# KiCad board SparkFun_GNSS_ZED-X20P_panelized.kicad_pcb (continued)
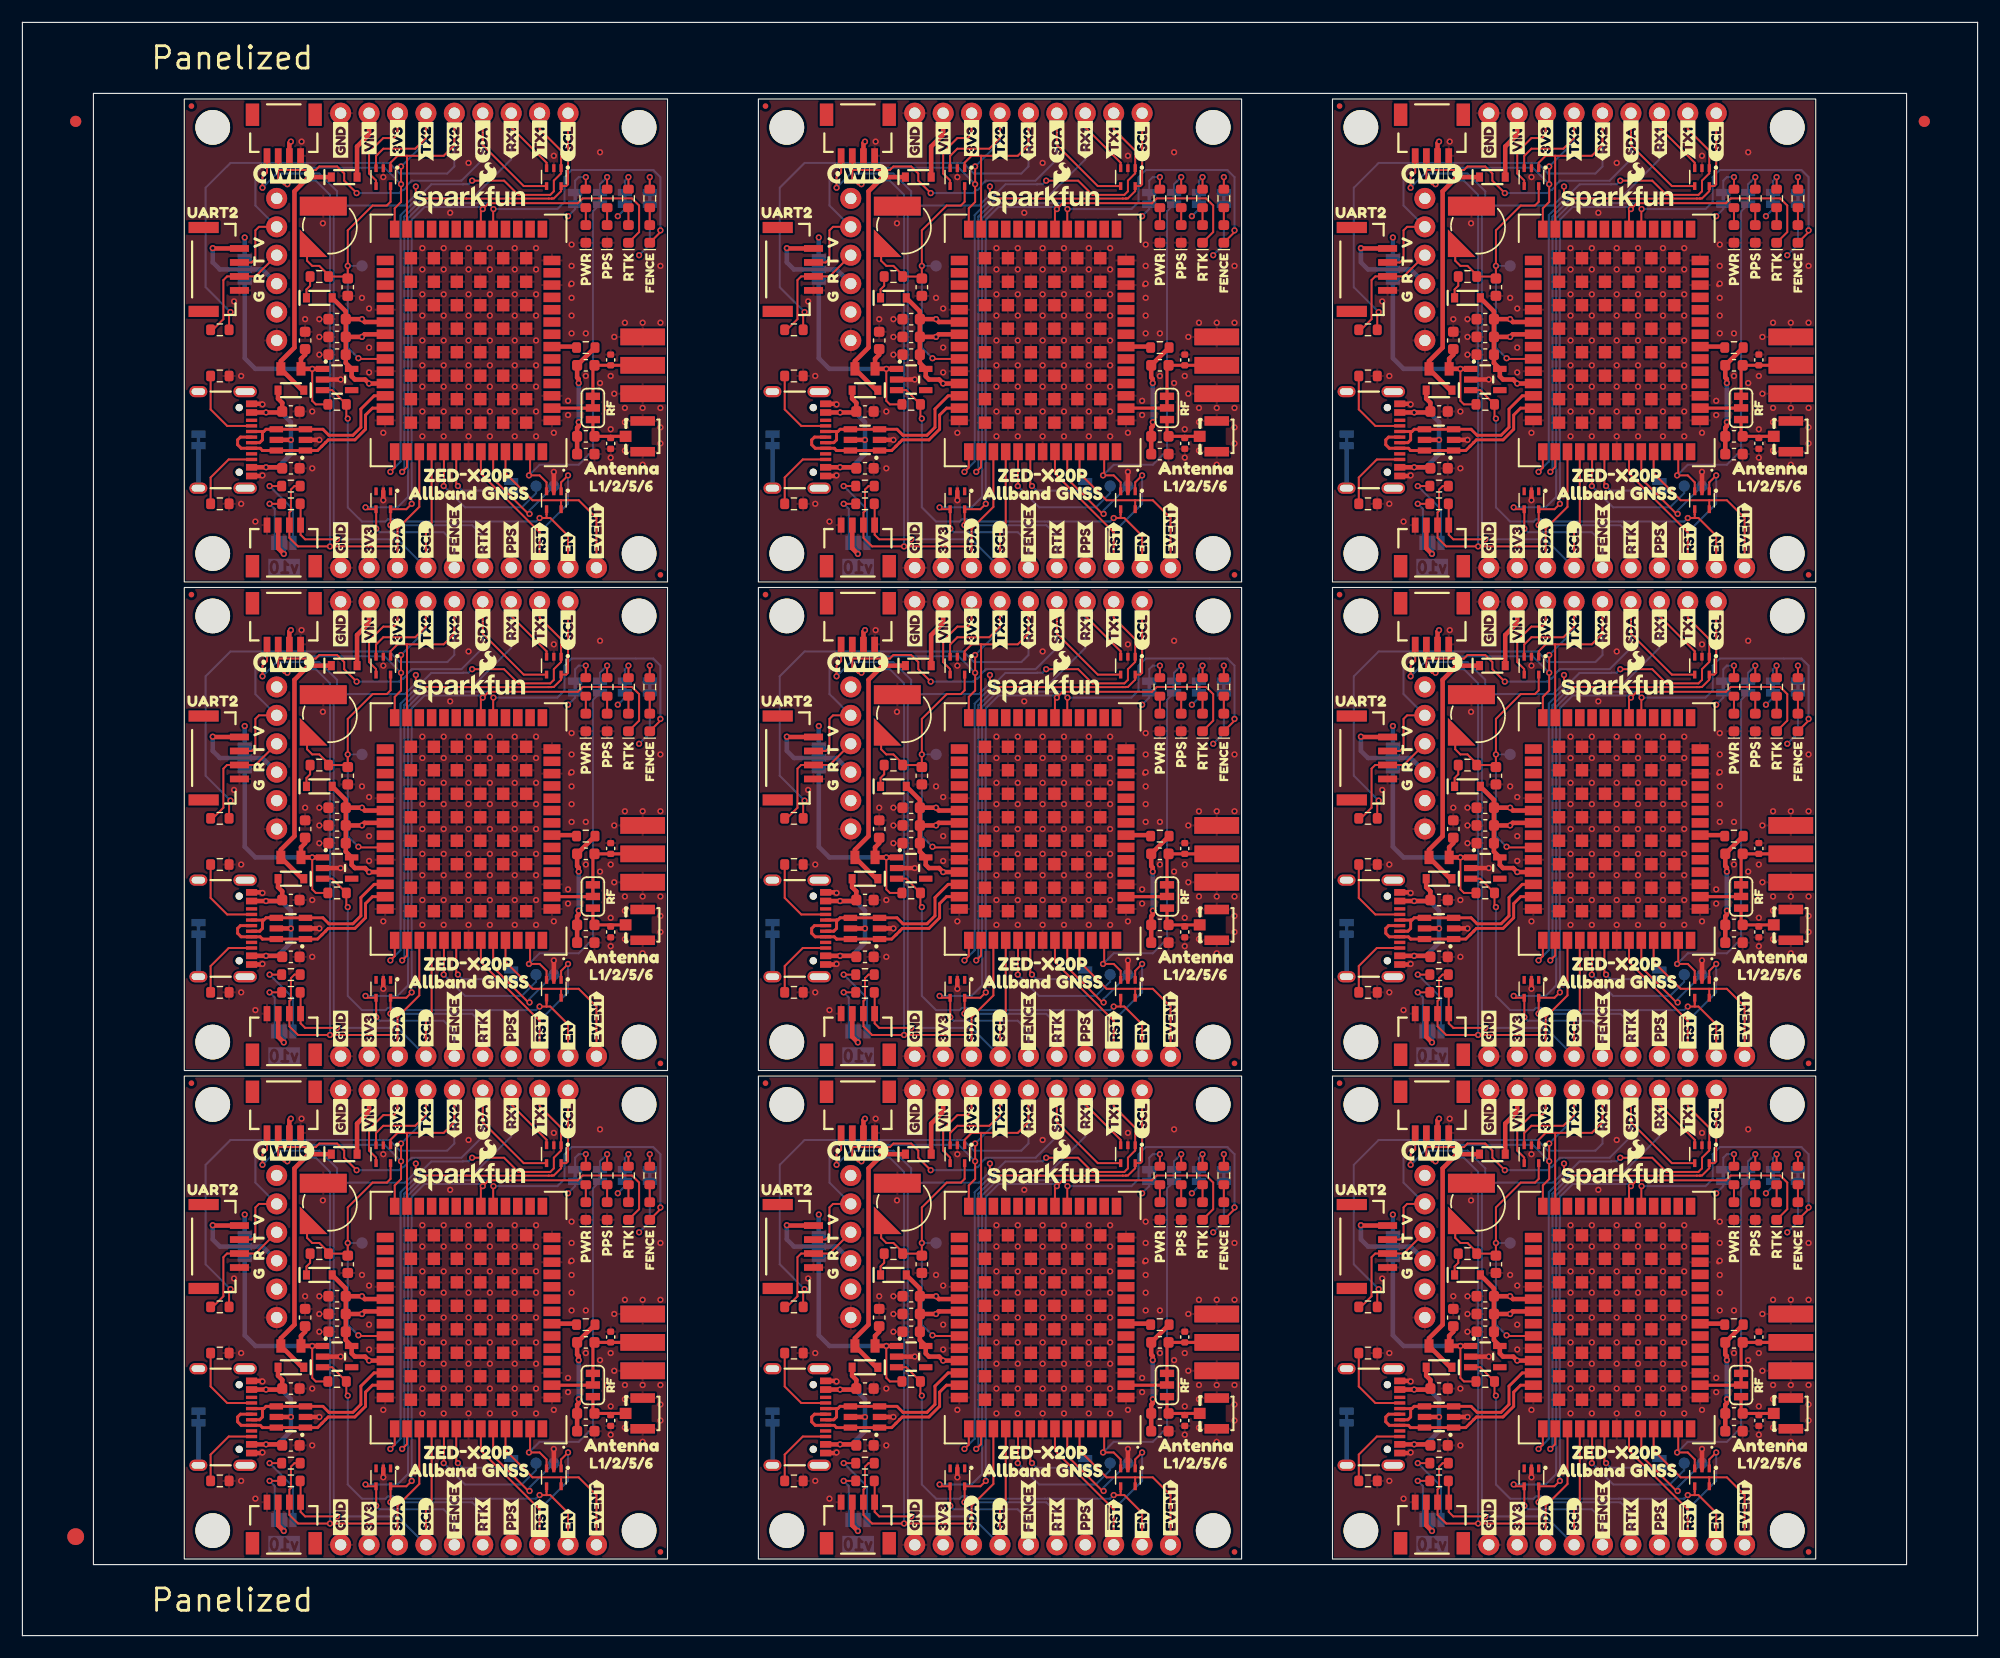
[diagram p0: board, top side]
## Routing (per net, layer and track width the routed paths; a pad name or vN(x,y) marks a point on that pad's centre or on a via; arc(x,y) is an arc through that point) (continued)
TX_READY: length 119.5
  Top w0.178: U5#9.46 140.27,15.45 v1(140.25,15.42) ; U5#2.46 37.67,102.81 v1(37.65,102.78) ; U5#5.46 88.97,15.45 v1(88.95,15.42) ; U5.46 37.67,15.45 v1(37.65,15.42) ; v1(88.95,102.78) 88.97,102.81 U5#8.46 ; U5#4.46 37.67,59.12 v1(37.65,59.1) ; U5#3.46 88.97,59.12 v1(88.95,59.1) ; U5#7.46 140.27,59.12 v1(140.25,59.1) ; v1(140.25,102.78) 140.27,102.81 U5#6.46
  Bottom w0.178: v1(88.95,102.78) 90.85,100.88 95.93,100.88 97.2,102.15 TP1#4.1 ; TP1#2.1 45.9,58.47 44.63,57.2 39.55,57.2 v1(37.65,59.1) ; v1(140.25,102.78) 142.15,100.88 147.23,100.88 148.5,102.15 TP1#8.1 ; TP1#3.1 97.2,58.47 95.93,57.2 90.85,57.2 v1(88.95,59.1) ; TP1#9.1 45.9,14.79 44.63,13.52 39.55,13.52 v1(37.65,15.42) ; TP1#5.1 97.2,14.79 95.93,13.52 90.85,13.52 v1(88.95,15.42) ; v1(140.25,59.1) 142.15,57.2 147.23,57.2 148.5,58.47 TP1#7.1 ; v1(37.65,102.78) 39.55,100.88 44.63,100.88 45.9,102.15 TP1#6.1 ; TP1.1 148.5,14.79 147.23,13.52 142.15,13.52 v1(140.25,15.42)
USB_D+: length 157.5
  Top w0.262: J1#3.A6 70.78,19.8 70.53,19.55 70.53,19.12 70.85,18.8 J1#3.B6 72.55,18.8 72.75,18.6 72.76,18.6 77.68,18.6 78.06,18.99 78.07,18.99 78.4,19.32 78.4,19.32 78.63,19.55 81.01,19.55 81.96,20.5 81.96,21.77 82.58,22.39 83.72,22.39 ; U5#9.40 133.88,22.39 133.26,21.77 133.26,20.5 132.31,19.55 129.93,19.55 129.7,19.32 129.7,19.32 129.37,18.99 129.36,18.99 128.98,18.6 124.06,18.6 124.06,18.6 123.85,18.8 J1#6.B6 122.15,18.8 121.83,19.12 121.83,19.55 122.08,19.8 J1#6.A6 ; U5#6.40 133.88,109.75 133.26,109.13 133.26,107.86 132.31,106.91 129.93,106.91 129.7,106.68 129.7,106.68 129.37,106.35 129.36,106.35 128.98,105.96 U1#4.1 U1#4.6 124.06,105.96 124.06,105.96 123.85,106.16 J1#4.B6 122.15,106.16 121.83,106.48 121.83,106.91 122.08,107.16 J1#4.A6 ; 83.72,66.07 82.58,66.07 81.96,65.45 81.96,64.18 81.01,63.23 78.63,63.23 78.4,63 78.4,63 78.07,62.67 78.06,62.67 77.68,62.28 U1#7.1 U1#7.6 72.76,62.28 72.75,62.28 72.55,62.48 J1#7.B6 70.85,62.48 70.53,62.8 70.53,63.23 70.78,63.48 J1#7.A6 ; 32.42,66.07 31.28,66.07 30.66,65.45 30.66,64.18 29.71,63.23 27.33,63.23 27.1,63 27.1,63 26.77,62.67 26.76,62.67 26.38,62.28 U1#3.1 U1#3.6 21.46,62.28 21.46,62.28 21.25,62.48 J1#2.B6 19.55,62.48 19.23,62.8 19.23,63.23 19.48,63.48 J1#2.A6 ; J1#9.A6 19.48,19.8 19.23,19.55 19.23,19.12 19.55,18.8 J1#9.B6 21.25,18.8 21.46,18.6 21.46,18.6 26.38,18.6 26.76,18.99 26.77,18.99 27.1,19.32 27.1,19.32 27.33,19.55 29.71,19.55 30.66,20.5 30.66,21.77 31.28,22.39 U5.40 ; 135.02,66.07 133.88,66.07 133.26,65.45 133.26,64.18 132.31,63.23 129.93,63.23 129.7,63 129.7,63 129.37,62.67 129.36,62.67 128.98,62.28 U1#9.1 U1#9.6 124.06,62.28 124.06,62.28 123.85,62.48 J1#5.B6 122.15,62.48 121.83,62.8 121.83,63.23 122.08,63.48 J1#5.A6 ; J1#8.A6 70.78,107.16 70.53,106.91 70.53,106.48 70.85,106.16 J1#8.B6 72.55,106.16 72.75,105.96 72.76,105.96 U1#5.6 U1#5.1 77.68,105.96 78.06,106.35 78.07,106.35 78.4,106.68 78.4,106.68 78.63,106.91 81.01,106.91 81.96,107.86 81.96,109.13 82.58,109.75 83.72,109.75 ; U5#2.40 31.28,109.75 30.66,109.13 30.66,107.86 29.71,106.91 27.33,106.91 27.1,106.68 27.1,106.68 26.77,106.35 26.76,106.35 26.38,105.96 U1#2.1 U1#2.6 21.46,105.96 21.46,105.96 21.25,106.16 J1.B6 19.55,106.16 19.23,106.48 19.23,106.91 19.48,107.16 J1.A6
USB_D-: length 148.4
  Top w0.262: J1.A7 21.21,106.66 21.46,106.91 21.46,107.66 ; 21.46,20.3 21.46,19.55 21.21,19.3 J1#9.A7 ; 21.46,20.3 J1#9.B7 ; 21.46,20.3 21.57,20.3 21.77,20.5 22.09,20.5 22.09,20.5 U1.4 U1.3 26.85,20.5 27.39,19.97 29.54,19.97 30.25,20.67 30.25,22.31 31.43,23.49 U5.39 ; J1#6.A7 123.81,19.3 124.06,19.55 124.06,20.3 ; 124.06,63.98 124.17,63.98 124.37,64.18 124.69,64.18 124.69,64.18 U1#9.4 U1#9.3 129.46,64.18 129.99,63.65 132.14,63.65 132.85,64.35 132.85,65.99 134.03,67.17 U5#7.39 ; 124.06,63.98 J1#5.B7 ; 124.06,63.98 124.06,63.23 123.81,62.98 J1#5.A7 ; U5#6.39 134.03,110.85 132.85,109.67 132.85,108.03 132.14,107.33 129.99,107.33 129.46,107.86 U1#4.3 U1#4.4 124.69,107.86 124.69,107.86 124.37,107.86 124.17,107.66 124.06,107.66 ; 124.06,107.66 J1#4.B7 ; 124.06,107.66 124.06,106.91 123.81,106.66 J1#4.A7 ; 72.75,63.98 72.87,63.98 73.07,64.18 73.39,64.18 73.39,64.18 U1#7.4 U1#7.3 78.16,64.18 78.69,63.65 80.84,63.65 81.55,64.35 81.55,65.99 82.73,67.17 83.72,67.17 ; 72.75,63.98 72.75,63.23 72.5,62.98 J1#7.A7 ; 72.75,63.98 J1#7.B7 ; 72.75,107.66 72.75,106.91 72.5,106.66 J1#8.A7 ; 72.75,107.66 J1#8.B7 ; 72.75,107.66 72.87,107.66 73.07,107.86 73.39,107.86 73.39,107.86 U1#5.4 U1#5.3 78.16,107.86 78.69,107.33 80.84,107.33 81.55,108.03 81.55,109.67 82.73,110.85 83.72,110.85 ; 21.46,107.66 J1.B7 ; 21.46,107.66 21.57,107.66 21.77,107.86 22.09,107.86 22.09,107.86 U1#2.4 U1#2.3 26.85,107.86 27.39,107.33 29.54,107.33 30.25,108.03 30.25,109.67 31.43,110.85 U5#2.39 ; 72.75,20.3 J1#3.B7 ; 72.75,20.3 72.87,20.3 73.07,20.5 73.39,20.5 73.39,20.5 U1#6.4 U1#6.3 78.16,20.5 78.69,19.97 80.84,19.97 81.55,20.67 81.55,22.31 82.73,23.49 83.72,23.49 ; 72.75,20.3 72.75,19.55 72.5,19.3 J1#3.A7 ; 21.46,63.98 J1#2.B7 ; 21.46,63.98 21.57,63.98 21.77,64.18 22.09,64.18 22.09,64.18 U1#3.4 U1#3.3 26.85,64.18 27.39,63.65 29.54,63.65 30.25,64.35 30.25,65.99 31.43,67.17 U5#4.39 ; 21.46,63.98 21.46,63.23 21.21,62.98 J1#2.A7 ; 124.06,20.3 124.17,20.3 124.37,20.5 124.69,20.5 124.69,20.5 U1#8.4 U1#8.3 129.46,20.5 129.99,19.97 132.14,19.97 132.85,20.67 132.85,22.31 134.03,23.49 U5#9.39 ; 124.06,20.3 J1#6.B7
V_BCKP: length 254.6
  Top w0.178: 135.5,129.6 135.5,128.2 135.17,127.87 133.9,127.87 131.68,125.64 C9#5.1 131.5,121.52 R7#3.1 129.96,121.64 129.13,122.47 128.5,122.47 128.04,122.93 BT1#4.+ 128.04,123.91 ; v1(30.03,26.85) 30.09,26.79 U5.36 ; D8#4.5 32.9,84.52 32.57,84.19 31.3,84.19 29.08,81.96 C9.1 28.9,77.84 R7#2.1 27.36,77.96 26.53,78.79 25.9,78.79 25.44,79.25 BT1#3.+ 25.44,80.23 ; v1(132.63,26.85) 132.69,26.79 U5#9.36 ; D8#7.5 84.2,128.2 83.87,127.87 82.6,127.87 80.38,125.64 C9#8.1 80.2,121.52 R7#8.1 78.66,121.64 77.84,122.47 77.2,122.47 76.74,122.93 BT1#5.+ 76.74,123.91 ; U5#4.36 30.09,70.47 v1(30.03,70.53) ; U5#6.36 132.69,114.15 v1(132.63,114.21) ; v1(81.33,26.85) 81.39,26.79 83.72,26.79 ; U5#7.36 132.69,70.47 v1(132.63,70.53) ; 25.44,36.55 BT1.+ 25.44,35.57 25.9,35.11 26.53,35.11 27.36,34.28 R7.1 28.9,34.16 C9#9.1 29.08,38.28 31.3,40.51 32.57,40.51 32.9,40.84 D8.5 ; v1(81.33,114.21) 81.39,114.15 83.72,114.15 ; 76.74,36.55 BT1#6.+ 76.74,35.57 77.2,35.11 77.84,35.11 78.66,34.28 R7#5.1 80.2,34.16 C9#6.1 80.38,38.28 82.6,40.51 83.87,40.51 84.2,40.84 D8#5.5 ; 135.5,42.25 135.5,40.84 135.17,40.51 133.9,40.51 131.68,38.28 C9#3.1 131.5,34.16 R7#9.1 129.96,34.28 129.13,35.11 128.5,35.11 128.04,35.57 BT1#8.+ 128.04,36.55 ; 76.74,80.23 BT1#7.+ 76.74,79.25 77.2,78.79 77.84,78.79 78.66,77.96 R7#7.1 80.2,77.84 C9#2.1 80.38,81.96 82.6,84.19 83.87,84.19 84.2,84.52 D8#3.5 ; 83.72,70.47 81.39,70.47 v1(81.33,70.53) ; 135.5,85.93 135.5,84.52 135.17,84.19 133.9,84.19 131.68,81.96 C9#4.1 131.5,77.84 R7#4.1 129.96,77.96 129.13,78.79 128.5,78.79 128.04,79.25 BT1#9.+ 128.04,80.23 ; D8#2.5 32.9,128.2 32.57,127.87 31.3,127.87 29.08,125.64 C9#7.1 28.9,121.52 R7#6.1 27.36,121.64 26.53,122.47 25.9,122.47 25.44,122.93 BT1#2.+ 25.44,123.91 ; U5#2.36 30.09,114.15 v1(30.03,114.21)
  Bottom w0.152: v1(131.68,35.11) TP2#9.1 ; v1(80.38,122.47) TP2#8.1 ; v1(80.38,78.79) TP2#7.1 ; v1(131.68,122.47) TP2#5.1 ; v1(29.08,35.11) TP2.1 ; v1(29.08,122.47) TP2#4.1 ; v1(131.68,78.79) TP2#6.1 ; v1(29.08,78.79) TP2#2.1 ; v1(80.38,35.11) TP2#3.1
  Bottom w0.178: v1(131.68,35.11) 131.68,27.81 v1(132.63,26.85) ; v1(30.03,26.85) 29.08,27.81 v1(29.08,35.11) ; v1(80.38,35.11) 80.38,27.81 v1(81.33,26.85) ; v1(80.38,122.47) 80.38,115.17 v1(81.33,114.21) ; v1(30.03,70.53) 29.08,71.48 v1(29.08,78.79) ; v1(29.08,122.47) 29.08,115.17 v1(30.03,114.21) ; v1(131.68,78.79) 131.68,71.48 v1(132.63,70.53) ; v1(80.38,78.79) 80.38,71.48 v1(81.33,70.53) ; v1(131.68,122.47) 131.68,115.17 v1(132.63,114.21)
VOUT: length 88.7
  Top w0.406: v1(17.01,124.06) 17.04,124.03 19.08,124.03 ; 70.38,124.03 68.34,124.03 v1(68.31,124.06) ; v1(17.01,80.38) 17.04,80.34 19.08,80.34 ; 19.08,36.67 17.04,36.67 v1(17.01,36.7) ; v1(119.61,36.7) 119.64,36.67 121.68,36.67 ; v1(119.61,124.06) 119.64,124.03 121.68,124.03 ; v1(68.31,80.38) 68.34,80.34 70.38,80.34 ; v1(119.61,80.38) 119.64,80.34 121.68,80.34 ; 70.38,36.67 68.34,36.67 v1(68.31,36.7)
  Bottom w0.406: J2#6.4 124.06,34.79 JP4#7.2 120.25,34.79 119.61,35.42 v1(119.61,36.7) ; J2#4.4 21.46,78.47 JP4#3.2 17.65,78.47 17.01,79.11 v1(17.01,80.38) ; J2#5.4 72.75,78.47 JP4#6.2 68.94,78.47 68.31,79.11 v1(68.31,80.38) ; J2.4 21.46,34.79 JP4.2 17.65,34.79 17.01,35.42 v1(17.01,36.7) ; J2#3.4 72.75,34.79 JP4#8.2 68.94,34.79 68.31,35.42 v1(68.31,36.7) ; v1(119.61,80.38) 119.61,79.11 120.25,78.47 JP4#9.2 124.06,78.47 J2#7.4 ; 125.33,120.88 124.06,122.15 JP4#2.2 120.25,122.15 119.61,122.78 v1(119.61,124.06) ; v1(17.01,124.06) 17.01,122.78 17.65,122.15 JP4#5.2 21.46,122.15 22.72,120.88 ; 74.03,120.88 72.75,122.15 JP4#4.2 68.94,122.15 68.31,122.78 v1(68.31,124.06)
VUSB: length 153.6
  Top w0.406: 123.08,17.1 v1(124.37,17.1) 125.73,17.1 C13#7.1 ; U1#4.5 v1(126.59,106.91) ; C13.1 23.13,17.1 v1(21.77,17.1) 20.48,17.1 ; U1.5 v1(24,19.55) ; J1#7.VBUS v1(73.07,65.68) 74.43,65.68 C7#3.1 74.52,66.55 74.15,66.92 D6#3.2 ; U1#8.5 v1(126.59,19.55) ; J1#7.VBUS v1(73.07,60.78) 74.43,60.78 C13#6.1 ; D6#9.2 125.44,110.6 125.82,110.23 C7#8.1 125.73,109.36 v1(124.37,109.36) J1#4.VBUS ; J1#9.VBUS v1(21.77,22) 23.13,22 C7.1 23.22,22.87 22.84,23.24 D6.2 ; D6#5.2 74.15,23.24 74.52,22.87 C7#6.1 74.43,22 v1(73.07,22) J1#3.VBUS ; J1#4.VBUS v1(124.37,104.46) 125.73,104.46 C13#8.1 ; 71.78,17.1 v1(73.07,17.1) 74.43,17.1 C13#4.1 ; J1.VBUS v1(21.77,109.36) 23.13,109.36 C7#9.1 23.22,110.23 22.84,110.6 D6#2.2 ; C13#9.1 125.73,60.78 v1(124.37,60.78) J1#5.VBUS ; C13#3.1 23.13,104.46 v1(21.77,104.46) J1.VBUS ; U1#9.5 v1(126.59,63.23) ; U1#5.5 v1(75.3,106.91) ; J1#5.VBUS v1(124.37,65.68) 125.73,65.68 C7#5.1 125.82,66.55 125.44,66.92 D6#6.2 ; U1#7.5 v1(75.3,63.23) ; U1#2.5 v1(24,106.91) ; U1#3.5 v1(24,63.23) ; U1#6.5 v1(75.3,19.55) ; C13#2.1 74.43,104.46 v1(73.07,104.46) J1#8.VBUS ; D6#8.2 74.15,110.6 74.52,110.23 C7#4.1 74.43,109.36 v1(73.07,109.36) J1#8.VBUS ; D6#7.2 125.44,23.24 125.82,22.87 C7#7.1 125.73,22 v1(124.37,22) J1#6.VBUS ; C13#5.1 23.13,60.78 v1(21.77,60.78) J1#2.VBUS ; J1#2.VBUS v1(21.77,65.68) 23.13,65.68 C7#2.1 23.22,66.55 22.84,66.92 D6#4.2
  Bottom w0.406: v1(73.07,60.78) 74.12,60.78 75.3,61.96 v1(75.3,63.23) 75.3,64.82 74.43,65.68 v1(73.07,65.68) ; v1(21.77,22) 23.13,22 24,21.14 v1(24,19.55) 24,18.28 22.81,17.1 v1(21.77,17.1) ; v1(124.37,60.78) 125.41,60.78 126.59,61.96 v1(126.59,63.23) 126.59,64.82 125.73,65.68 v1(124.37,65.68) ; v1(21.77,109.36) 23.13,109.36 24,108.5 v1(24,106.91) 24,105.64 22.81,104.46 v1(21.77,104.46) ; v1(124.37,22) 125.73,22 126.59,21.14 v1(126.59,19.55) 126.59,18.28 125.41,17.1 v1(124.37,17.1) ; v1(73.07,17.1) 74.12,17.1 75.3,18.28 v1(75.3,19.55) 75.3,21.14 74.43,22 v1(73.07,22) ; v1(73.07,109.36) 74.43,109.36 75.3,108.5 v1(75.3,106.91) 75.3,105.64 74.12,104.46 v1(73.07,104.46) ; v1(21.77,60.78) 22.81,60.78 24,61.96 v1(24,63.23) 24,64.82 23.13,65.68 v1(21.77,65.68) ; v1(124.37,104.46) 125.41,104.46 126.59,105.64 v1(126.59,106.91) 126.59,108.5 125.73,109.36 v1(124.37,109.36)
~{RESET}: length 211.8
  Top w0.178: D12#8.1 150.74,103.12 v1(151.36,103.73) ; J11.4 148.82,11.3 143.57,16.55 U5#9.49 ; D12#5.1 150.74,59.44 v1(151.36,60.06) ; D12#3.1 48.14,103.12 v1(48.76,103.73) ; D12#4.1 48.14,59.44 v1(48.76,60.06) ; J11#7.4 46.22,98.66 40.97,103.91 U5#2.49 ; J11#5.4 46.22,54.98 40.97,60.23 U5#4.49 ; D12#9.1 99.44,59.44 v1(100.06,60.06) ; U5#3.49 92.27,60.23 97.52,54.98 J11#8.4 ; U5#7.49 143.57,60.23 148.82,54.98 J11#3.4 ; J11#4.4 46.22,11.3 40.97,16.55 U5.49 ; D12.1 99.44,103.12 v1(100.06,103.73) ; J11#6.4 97.52,11.3 92.27,16.55 U5#5.49 ; v1(100.06,16.38) 99.44,15.76 D12#7.1 ; J11#9.4 97.52,98.66 92.27,103.91 U5#8.49 ; U5#6.49 143.57,103.91 148.82,98.66 J11#2.4 ; v1(151.36,16.38) 150.74,15.76 D12#6.1 ; D12#2.1 48.14,15.76 v1(48.76,16.38)
  Bottom w0.178: v1(100.06,103.73) 100.06,101.2 97.52,98.66 J11#9.4 ; J11#6.4 97.52,11.3 100.06,13.84 v1(100.06,16.38) ; v1(151.36,103.73) 151.36,101.2 148.82,98.66 J11#2.4 ; J11#7.4 46.22,98.66 48.76,101.2 v1(48.76,103.73) ; v1(48.76,16.38) 48.76,13.84 46.22,11.3 J11#4.4 ; J11#5.4 46.22,54.98 48.76,57.52 v1(48.76,60.06) ; v1(151.36,16.38) 151.36,13.84 148.82,11.3 J11.4 ; v1(151.36,60.06) 151.36,57.52 148.82,54.98 J11#3.4 ; J11#8.4 97.52,54.98 100.06,57.52 v1(100.06,60.06)
~{SAFEBOOT}: length 93.2
  Top w0.178: U5#6.50 144.67,103.44 147.82,100.29 v1(147.92,100.29) ; U5#2.50 42.07,103.44 45.22,100.29 v1(45.32,100.29) ; v1(147.92,56.61) 147.82,56.61 144.67,59.76 U5#7.50 ; v1(45.32,12.93) 45.22,12.93 42.07,16.08 U5.50 ; v1(96.62,56.61) 96.52,56.61 93.37,59.76 U5#3.50 ; v1(147.92,12.93) 147.82,12.93 144.67,16.08 U5#9.50 ; v1(96.62,100.29) 96.52,100.29 93.37,103.44 U5#8.50 ; v1(45.32,56.61) 45.22,56.61 42.07,59.76 U5#4.50 ; U5#5.50 93.37,16.08 96.52,12.93 v1(96.62,12.93)
  Bottom w0.178: TP4#2.1 45.32,56.93 v1(45.32,56.61) ; v1(147.92,12.93) 147.92,13.25 TP4#6.1 ; TP4#3.1 96.62,56.93 v1(96.62,56.61) ; TP4#4.1 96.62,13.25 v1(96.62,12.93) ; TP4#7.1 147.92,100.61 v1(147.92,100.29) ; v1(96.62,100.29) 96.62,100.61 TP4#8.1 ; TP4#5.1 45.32,100.61 v1(45.32,100.29) ; v1(147.92,56.61) 147.92,56.93 TP4#9.1 ; v1(45.32,12.93) 45.32,13.25 TP4.1
Net-(C3-Pad1): length 92.8
  Top w0.406: v1(101.01,64.82) 101.01,64.46 100.87,64.32 L2#6.2 C3#7.1 ; v1(101.01,21.14) 101.01,20.78 100.87,20.64 L2#7.2 C3#6.1 ; C3#3.1 L2#8.2 100.87,108 101.01,108.14 v1(101.01,108.5) ; R6#2.2 102.46,115.17 L1#9.2 100.87,112.48 101.01,112.34 v1(101.01,111.99) ; v1(49.71,68.31) 49.71,68.67 49.57,68.81 L1#3.2 51.16,71.48 R6#3.2 ; C3#5.1 L2#2.2 49.57,108 49.71,108.14 v1(49.71,108.5) ; v1(101.01,24.63) 101.01,24.98 100.87,25.12 L1#2.2 102.46,27.81 R6#5.2 ; v1(49.71,21.14) 49.71,20.78 49.57,20.64 L2.2 C3.1 ; R6.2 51.16,27.81 L1.2 49.57,25.12 49.71,24.98 v1(49.71,24.63) ; v1(101.01,68.31) 101.01,68.67 100.87,68.81 L1#6.2 102.46,71.48 R6#6.2 ; C3#2.1 L2#3.2 49.57,64.32 49.71,64.46 v1(49.71,64.82) ; C3#8.1 L2#4.2 152.17,20.64 152.31,20.78 v1(152.31,21.14) ; v1(152.31,111.99) 152.31,112.34 152.17,112.48 L1#8.2 153.76,115.17 R6#7.2 ; C3#4.1 L2#9.2 152.17,64.32 152.31,64.46 v1(152.31,64.82) ; R6#8.2 153.76,27.81 L1#5.2 152.17,25.12 152.31,24.98 v1(152.31,24.63) ; v1(152.31,108.5) 152.31,108.14 152.17,108 L2#5.2 C3#9.1 ; R6#4.2 51.16,115.17 L1#4.2 49.57,112.48 49.71,112.34 v1(49.71,111.99) ; R6#9.2 153.76,71.48 L1#7.2 152.17,68.81 152.31,68.67 v1(152.31,68.31)
  Bottom w0.406: v1(49.71,108.5) v1(49.71,111.99) ; v1(49.71,64.82) v1(49.71,68.31) ; v1(101.01,64.82) v1(101.01,68.31) ; v1(152.31,108.5) v1(152.31,111.99) ; v1(152.31,64.82) v1(152.31,68.31) ; v1(101.01,21.14) v1(101.01,24.63) ; v1(152.31,21.14) v1(152.31,24.63) ; v1(101.01,108.5) v1(101.01,111.99) ; v1(49.71,21.14) v1(49.71,24.63)
Net-(D1-A): length 14.1
  Top w0.178: D1#8.2 R4#7.1 ; D1#2.2 R4#5.1 ; D1#9.2 R4#8.1 ; D1.2 R4.1 ; D1#7.2 R4#6.1 ; D1#5.2 R4#9.1 ; D1#4.2 R4#3.1 ; D1#6.2 R4#2.1 ; D1#3.2 R4#4.1
Net-(D2-A): length 14.1
  Top w0.178: D2#8.2 R3.1 ; D2#4.2 R3#5.1 ; D2#7.2 R3#4.1 ; D2#2.2 R3#6.1 ; D2#5.2 R3#8.1 ; D2#9.2 R3#7.1 ; D2#3.2 R3#2.1 ; D2.2 R3#9.1 ; D2#6.2 R3#3.1
Net-(D3-A2): length 64.2
  Top w0.282: J5#5.1 D3#2.2 L1#3.1 50.98,69.76 JP1#7.1 ; JP1#3.1 153.58,113.44 L1#8.1 D3#8.2 J5#8.1 ; J5#4.1 D3.2 L1#9.1 102.28,113.44 JP1#8.1 ; J5#3.1 D3#6.2 L1#7.1 153.58,69.76 JP1#5.1 ; J5#7.1 D3#4.2 L1#2.1 102.28,26.08 JP1#6.1 ; JP1#9.1 102.28,69.76 L1#6.1 D3#5.2 J5#6.1 ; J5#9.1 D3#9.2 L1.1 50.98,26.08 JP1.1 ; J5#2.1 D3#7.2 L1#5.1 153.58,26.08 JP1#4.1 ; JP1#2.1 50.98,113.44 L1#4.1 D3#3.2 J5.1
Net-(D4-A): length 14.1
  Top w0.178: D4#7.2 R5#8.1 ; D4#6.2 R5#6.1 ; D4#2.2 R5#3.1 ; D4.2 R5#2.1 ; D4#3.2 R5#4.1 ; D4#4.2 R5.1 ; D4#9.2 R5#7.1 ; D4#5.2 R5#5.1 ; D4#8.2 R5#9.1
Net-(D5-K): length 18.4
  Top w0.178: R7#9.2 128.31,33.33 127.99,33.01 D5#8.1 ; D5#4.1 25.38,120.37 25.71,120.69 R7#6.2 ; R7#4.2 128.31,77.01 127.99,76.69 D5#9.1 ; D5#2.1 76.69,76.69 77.01,77.01 R7#7.2 ; R7#2.2 25.71,77.01 25.38,76.69 D5#3.1 ; D5#6.1 76.69,120.37 77.01,120.69 R7#8.2 ; R7.2 25.71,33.33 25.38,33.01 D5.1 ; R7#3.2 128.31,120.69 127.99,120.37 D5#7.1 ; D5#5.1 76.69,33.01 77.01,33.33 R7#5.2
Net-(D6-K): length 207.4
  Top w0.406: D6#7.1 127.6,24 F1#6.2 125.69,26.59 126.91,27.81 126.91,41.78 128.18,43.05 D7#7.1 ; D7#5.1 76.88,43.05 75.61,41.78 75.61,27.81 74.4,26.59 F1#3.2 76.3,24 D6#5.1 ; D6#2.1 25,111.36 F1#4.2 23.09,113.95 24.31,115.17 24.31,129.13 25.58,130.41 D7#2.1 ; D7.1 25.58,43.05 24.31,41.78 24.31,27.81 23.09,26.59 F1.2 25,24 D6.1 ; D6#3.1 76.3,67.68 F1#8.2 74.4,70.27 75.61,71.48 75.61,85.46 76.88,86.72 D7#6.1 ; D6#4.1 25,67.68 F1#2.2 23.09,70.27 24.31,71.48 24.31,85.46 25.58,86.72 D7#4.1 ; D6#9.1 127.6,111.36 F1#5.2 125.69,113.95 126.91,115.17 126.91,129.13 128.18,130.41 D7#8.1 ; D6#8.1 76.3,111.36 F1#7.2 74.4,113.95 75.61,115.17 75.61,129.13 76.88,130.41 D7#3.1 ; D6#6.1 127.6,67.68 F1#9.2 125.69,70.27 126.91,71.48 126.91,85.46 128.18,86.72 D7#9.1
Net-(D9-A): length 14.1
  Top w0.178: R11#4.1 D9#7.2 ; R11#3.1 D9#4.2 ; R11#2.1 D9#6.2 ; R11#8.1 D9#8.2 ; R11#9.1 D9#9.2 ; R11#6.1 D9#2.2 ; R11#5.1 D9#5.2 ; R11#7.1 D9#3.2 ; R11.1 D9.2
Net-(D14-A2): length 40.4
  Top w0.282: 155.17,19.87 L2#4.1 153.58,20.01 JP1#4.3 ; 155.17,19.87 D14#7.2 ; 155.17,19.87 J10#8.1 ; 103.87,107.23 J10#5.1 ; 103.87,107.23 D14.2 ; 103.87,107.23 L2#8.1 102.28,107.37 JP1#8.3 ; 103.87,19.87 L2#7.1 102.28,20.01 JP1#6.3 ; 103.87,19.87 J10#6.1 ; 103.87,19.87 D14#6.2 ; JP1.3 50.98,20.01 L2.1 52.57,19.87 ; 103.87,63.55 L2#6.1 102.28,63.69 JP1#9.3 ; 103.87,63.55 J10#3.1 ; 103.87,63.55 D14#5.2 ; 155.17,63.55 J10#4.1 ; 155.17,63.55 L2#9.1 153.58,63.69 JP1#5.3 ; 155.17,63.55 D14#9.2 ; 52.57,19.87 J10.1 ; 52.57,19.87 D14#2.2 ; JP1#2.3 50.98,107.37 L2#2.1 52.57,107.23 ; 155.17,107.23 J10#9.1 ; 155.17,107.23 L2#5.1 153.58,107.37 JP1#3.3 ; 155.17,107.23 D14#8.2 ; 52.57,63.55 J10#7.1 ; 52.57,63.55 D14#3.2 ; 52.57,63.55 L2#3.1 50.98,63.69 JP1#7.3 ; 52.57,107.23 J10#2.1 ; 52.57,107.23 D14#4.2
Net-(J1-CC1): length 65.3
  Top w0.178: R2#3.2 119.42,22.28 120.9,20.8 J1#6.A5 ; J1#2.A5 18.3,64.48 16.82,65.96 16.82,68.94 ; J1#8.A5 69.6,108.16 68.12,109.64 R2#4.2 ; 16.82,25.27 16.82,22.28 18.3,20.8 J1#9.A5 ; J1#3.A5 69.6,20.8 68.12,22.28 R2#6.2 ; J1#5.A5 120.9,64.48 119.42,65.96 R2.2 ; J1.A5 18.3,108.16 16.82,109.64 16.82,112.62 ; R2#8.2 68.12,65.96 69.6,64.48 J1#7.A5 ; R2#5.2 119.42,109.64 120.9,108.16 J1#4.A5
Net-(J1-CC2): length 60.1
  Top w0.178: R1#4.2 119.42,103.55 121.03,105.16 J1#4.B5 ; J1#8.B5 69.74,105.16 68.12,103.55 R1#5.2 ; J1#5.B5 121.03,61.48 119.42,59.87 R1#8.2 ; R1.2 68.12,16.19 69.74,17.8 J1#3.B5 ; 16.82,101.2 16.82,103.55 18.44,105.16 J1.B5 ; J1#6.B5 121.03,17.8 119.42,16.19 R1#7.2 ; 16.82,13.84 16.82,16.19 18.44,17.8 J1#9.B5 ; 16.82,57.52 16.82,59.87 18.44,61.48 J1#2.B5 ; J1#7.B5 69.74,61.48 68.12,59.87 R1#6.2
Net-(J1-SHIELD): length 34.2
  Bottom w0.406: JP7#5.2 118.34,102.6 J1#4.S ; J1#9.S 15.74,15.24 JP7.2 ; J1#2.S 15.74,58.92 JP7#6.2 ; J1#6.S 118.34,15.24 JP7#9.2 ; JP7#7.2 15.74,102.6 J1.S ; J1#3.S 67.04,15.24 JP7#4.2 ; JP7#8.2 67.04,58.92 J1#7.S ; J1#8.S 67.04,102.6 JP7#2.2 ; J1#5.S 118.34,58.92 JP7#3.2
Net-(JP2-A): length 29.1
  Top w0.178: R4#7.2 v1(101.65,130.41) ; R4#9.2 v1(152.95,86.72) ; R4#3.2 v1(152.95,43.05) ; R4#5.2 v1(50.35,130.41) ; R4#2.2 v1(101.65,43.05) ; R4#8.2 v1(152.95,130.41) ; R4#6.2 v1(101.65,86.72) ; R4#4.2 v1(50.35,86.72) ; R4.2 v1(50.35,43.05)
  Bottom w0.178: v1(152.95,130.41) 152.31,130.41 151.99,130.09 JP2#8.1 ; v1(101.65,130.41) 101.01,130.41 100.69,130.09 JP2#6.1 ; v1(101.65,86.72) 101.01,86.72 100.69,86.41 JP2#7.1 ; JP2#9.1 49.4,42.73 49.71,43.05 v1(50.35,43.05) ; JP2.1 49.4,86.41 49.71,86.72 v1(50.35,86.72) ; v1(50.35,130.41) 49.71,130.41 49.4,130.09 JP2#4.1 ; v1(152.95,86.72) 152.31,86.72 151.99,86.41 JP2#3.1 ; JP2#2.1 151.99,42.73 152.31,43.05 v1(152.95,43.05) ; JP2#5.1 100.69,42.73 101.01,43.05 v1(101.65,43.05)
Net-(JP3-A): length 24.5
  Top w0.178: R5#2.2 v1(52.25,43.05) ; R5#4.2 v1(52.25,86.72) ; R5#5.2 v1(103.55,43.05) ; R5#8.2 v1(154.85,43.05) ; R5#6.2 v1(103.55,86.72) ; R5#3.2 v1(103.55,130.41) ; R5#9.2 v1(154.85,86.72) ; R5#7.2 v1(154.85,130.41) ; R5.2 v1(52.25,130.41)
  Bottom w0.178: v1(154.85,130.41) 154.22,129.77 JP3#6.1 ; v1(154.85,43.05) 154.22,42.41 JP3#2.1 ; JP3#7.1 154.22,86.09 v1(154.85,86.72) ; JP3#9.1 51.62,129.77 v1(52.25,130.41) ; JP3#4.1 102.92,42.41 v1(103.55,43.05) ; JP3#3.1 51.62,86.09 v1(52.25,86.72) ; v1(103.55,86.72) 102.92,86.09 JP3#5.1 ; JP3.1 51.62,42.41 v1(52.25,43.05) ; JP3#8.1 102.92,129.77 v1(103.55,130.41)
Net-(JP5-A): length 23.4
  Top w0.178: R3#8.2 v1(156.76,43.05) ; R3#4.2 v1(156.76,86.72) ; R3#9.2 v1(54.16,43.05) ; R3#2.2 v1(105.46,43.05) ; R3#7.2 v1(105.46,86.72) ; R3.2 v1(54.16,86.72) ; R3#6.2 v1(156.76,130.41) ; R3#3.2 v1(54.16,130.41) ; R3#5.2 v1(105.46,130.41)
  Bottom w0.178: JP5#4.1 156.44,130.09 v1(156.76,130.41) ; JP5#5.1 105.14,86.41 v1(105.46,86.72) ; JP5.1 105.14,42.73 v1(105.46,43.05) ; JP5#9.1 53.84,42.73 v1(54.16,43.05) ; v1(54.16,130.41) 53.84,130.09 JP5#2.1 ; JP5#7.1 156.44,42.73 v1(156.76,43.05) ; JP5#6.1 156.44,86.41 v1(156.76,86.72) ; v1(105.46,130.41) 105.14,130.09 JP5#8.1 ; v1(54.16,86.72) 53.84,86.41 JP5#3.1
Net-(JP8-A): length 22.2
  Top w0.178: R11#7.2 v1(158.66,130.41) ; R11#3.2 v1(107.36,86.72) ; R11.2 v1(56.06,43.05) ; R11#6.2 v1(107.36,130.41) ; R11#9.2 v1(158.66,86.72) ; R11#2.2 v1(56.06,86.72) ; R11#8.2 v1(107.36,43.05) ; R11#4.2 v1(158.66,43.05) ; R11#5.2 v1(56.06,130.41)
  Bottom w0.178: v1(158.66,130.41) JP8#9.1 ; v1(158.66,86.72) JP8#8.1 ; v1(107.36,43.05) JP8#5.1 ; v1(56.06,43.05) JP8.1 ; v1(107.36,86.72) JP8#6.1 ; v1(56.06,86.72) JP8#2.1 ; v1(56.06,130.41) JP8#4.1 ; v1(158.66,43.05) JP8#7.1 ; v1(107.36,130.41) JP8#3.1
Net-(JP9-A): length 63.2
  Top w0.178: R13#8.1 v1(73.39,15.42) ; R13#3.1 v1(22.09,102.78) ; R13#5.1 v1(73.39,59.1) ; R13#4.1 v1(124.69,15.42) ; R13#9.1 v1(73.39,102.78) ; R13#6.1 v1(124.69,102.78) ; R13#2.1 v1(22.09,15.42) ; R13#7.1 v1(124.69,59.1) ; R13.1 v1(22.09,59.1)
  Bottom w0.178: v1(22.09,59.1) 24.17,57.02 JP9#2.1 ; JP9#9.1 75.47,100.7 v1(73.39,102.78) ; v1(73.39,59.1) 75.47,57.02 JP9#5.1 ; JP9#6.1 126.77,100.7 v1(124.69,102.78) ; v1(22.09,15.42) 24.17,13.34 JP9.1 ; v1(124.69,15.42) 126.77,13.34 JP9#7.1 ; JP9#4.1 75.47,13.34 v1(73.39,15.42) ; JP9#3.1 24.17,100.7 v1(22.09,102.78) ; v1(124.69,59.1) 126.77,57.02 JP9#8.1
Net-(JP9-C): length 42.9
  Top w0.178: v1(124.69,101.2) R12#3.1 ; v1(22.09,57.52) R12#5.1 ; v1(124.69,57.52) R12#7.1 ; v1(124.69,13.84) R12#9.1 ; v1(73.39,13.84) R12#4.1 ; v1(73.39,101.2) R12#2.1 ; v1(22.09,13.84) R12.1 ; v1(73.39,57.52) R12#8.1 ; v1(22.09,101.2) R12#6.1
  Bottom w0.178: v1(22.09,13.84) 22.55,13.38 JP9.3 ; JP9#5.3 73.85,57.06 v1(73.39,57.52) ; JP9#4.3 73.85,13.38 v1(73.39,13.84) ; v1(73.39,101.2) 73.85,100.74 JP9#9.3 ; JP9#7.3 125.15,13.38 v1(124.69,13.84) ; JP9#8.3 125.15,57.06 v1(124.69,57.52) ; JP9#6.3 125.15,100.74 v1(124.69,101.2) ; JP9#3.3 22.55,100.74 v1(22.09,101.2) ; JP9#2.3 22.55,57.06 v1(22.09,57.52)
Net-(JP10-B): length 72.5
  Top w0.178: U5.47 38.77,15.57 v1(38.92,15.42) ; v1(90.22,102.78) 90.07,102.93 U5#8.47 ; U5#3.47 90.07,59.25 v1(90.22,59.1) ; U5#2.47 38.77,102.93 v1(38.92,102.78) ; U5#5.47 90.07,15.57 v1(90.22,15.42) ; v1(141.52,102.78) 141.37,102.93 U5#6.47 ; U5#9.47 141.37,15.57 v1(141.52,15.42) ; U5#4.47 38.77,59.25 v1(38.92,59.1) ; U5#7.47 141.37,59.25 v1(141.52,59.1)
  Bottom w0.178: JP10#4.2 90.62,15.02 v1(90.22,15.42) ; JP10.2 39.32,15.02 v1(38.92,15.42) ; v1(38.92,59.1) 39.32,58.7 JP10#2.2 ; JP10#8.2 141.92,15.02 v1(141.52,15.42) ; JP10#3.2 90.62,58.7 v1(90.22,59.1) ; v1(141.52,102.78) 141.92,102.38 JP10#9.2 ; JP10#5.2 141.92,58.7 v1(141.52,59.1) ; JP10#6.2 39.32,102.38 v1(38.92,102.78) ; v1(90.22,102.78) 90.62,102.38 JP10#7.2

## Copper pours and planes (outline as drawn; the poured copper is in the pictures)
3.3V on L3.Cu: 14.47,6.85 14.47,50.03 57.65,50.03 57.65,6.85
3.3V on L3.Cu: 65.77,50.53 65.77,93.71 108.95,93.71 108.95,50.53
3.3V on L3.Cu: 117.07,50.53 117.07,93.71 160.25,93.71 160.25,50.53
3.3V on L3.Cu: 65.77,6.85 65.77,50.03 108.95,50.03 108.95,6.85
3.3V on L3.Cu: 14.47,94.21 14.47,137.39 57.65,137.39 57.65,94.21
3.3V on L3.Cu: 14.47,50.53 14.47,93.71 57.65,93.71 57.65,50.53
3.3V on L3.Cu: 117.07,6.85 117.07,50.03 160.25,50.03 160.25,6.85
3.3V on L3.Cu: 65.77,94.21 65.77,137.39 108.95,137.39 108.95,94.21
3.3V on L3.Cu: 117.07,94.21 117.07,137.39 160.25,137.39 160.25,94.21
GND on Top, Bottom, L2.Cu: 65.77,50.53 65.77,93.71 108.95,93.71 108.95,50.53
GND on Top, Bottom, L2.Cu: 14.47,94.21 14.47,137.39 57.65,137.39 57.65,94.21
GND on Top, Bottom, L2.Cu: 117.07,50.53 117.07,93.71 160.25,93.71 160.25,50.53
GND on Top, Bottom, L2.Cu: 14.47,6.85 14.47,50.03 57.65,50.03 57.65,6.85
GND on Top, Bottom, L2.Cu: 14.47,50.53 14.47,93.71 57.65,93.71 57.65,50.53
GND on Top, Bottom, L2.Cu: 117.07,94.21 117.07,137.39 160.25,137.39 160.25,94.21
GND on Top, Bottom, L2.Cu: 65.77,6.85 65.77,50.03 108.95,50.03 108.95,6.85
